# Altium PCB PCB_Kasli.PCBDOC (part 9 of 16)
Units mm, origin at the board's own origin, x right, y up, seen from the top; angles counter-clockwise.
Board outline 200.3 x 100 mm, 6 copper layers (TopLayer, MidLayer1, MidLayer2, SignalLayer1, Internal Plane 1, BottomLayer), stack 1.528 mm thick; 775 components, 636 nets, 3136 pads, 1724 vias.
Unrouted connection lines stored in the file: 7.
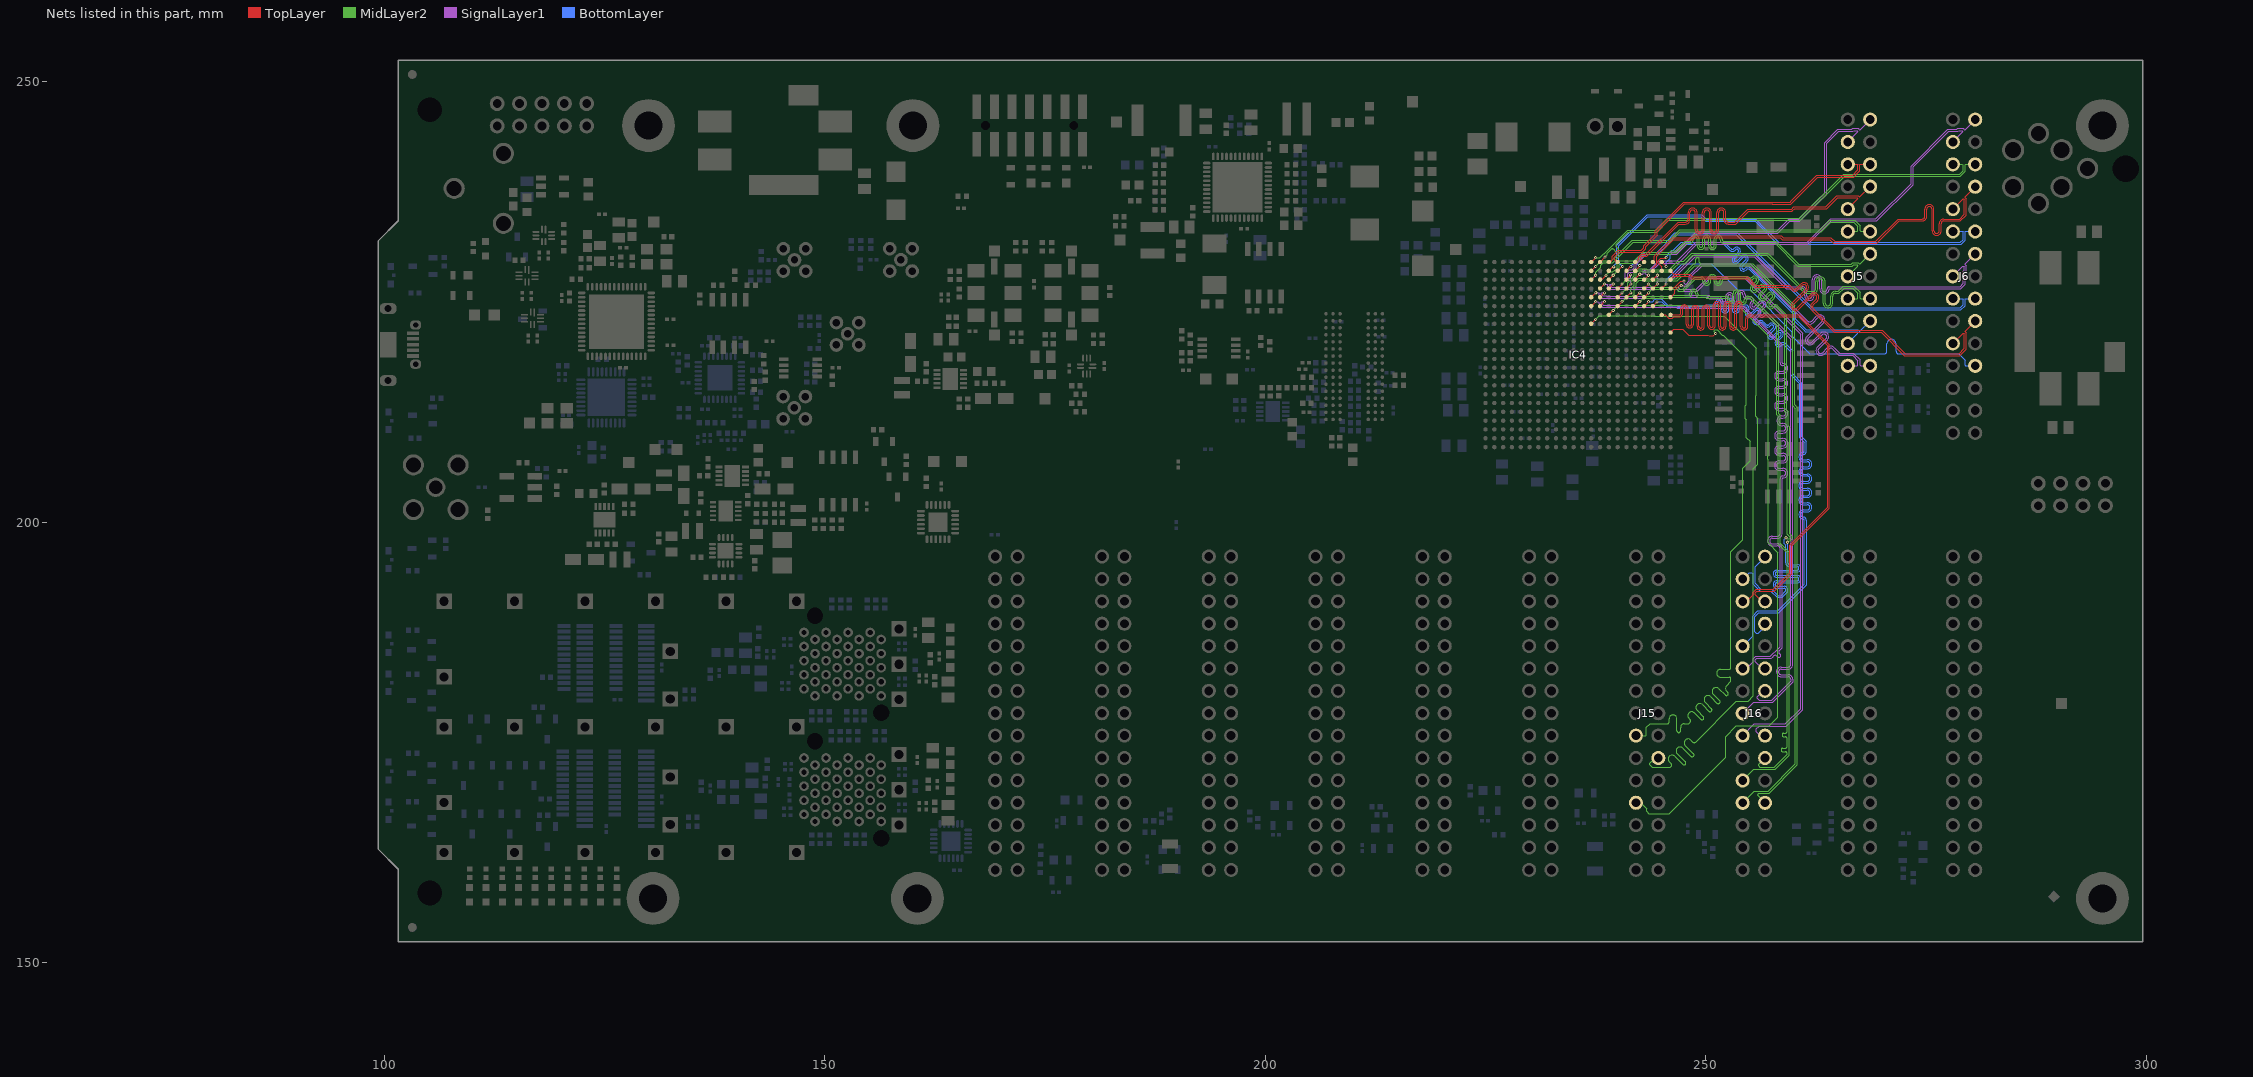
[diagram p13: the nets of this part, all layers, seen from the top]

## Via types
v1: diameter 0.5, hole 0.2, TopLayer to BottomLayer, tented both sides, 845 vias
v2: diameter 0.35, hole 0.15, TopLayer to BottomLayer, tented both sides, 612 vias
v3: diameter 0.8, hole 0.5, TopLayer to BottomLayer, tented both sides, 144 vias
v4: diameter 0.8, hole 0.5, TopLayer to BottomLayer, 66 vias
v5: diameter 0.5, hole 0.2, TopLayer to BottomLayer, 57 vias

## Nets (pads, with @x,y where several pads share a name; then routed paths per layer and width w, separated by ;. In a path a pad name is that pad's centre, name@x,y a point inside that pad or via, vN(x,y) a via of type N, cw(c..) or ccw(c..) an arc to the next point about the centre after c; other vN are vias at no path point) (continued)
EXT6.LVDS_P5: IC4.J22 J15.17 | length 79.5
  TopLayer w0.095: IC4.J22@245.991,221.515 246.381,221.905 247.389,221.905 248.064,221.23 250.269,221.23 250.361,221.138 250.851,221.138 v2(251.108,221.395)
  MidLayer2 w0.115: J15.17@242.062,175.768 243.193,175.768 243.253,175.828 243.253,176.704 243.664,177.114 245.622,177.114 ccw(c245.622,177.322) 245.829,177.322 245.829,177.672 cw(c246.272,177.672) 246.714,177.672 246.714,176.322 ccw(c246.922,176.322) 247.129,176.322 247.129,176.672 cw(c247.572,176.672) 247.572,177.114 248.032,177.114 248.209,177.291 ccw(c248.062,177.438) 248.27,177.438 ccw(c248.062,177.438) 248.209,177.584 248.079,177.714 cw(c248.392,178.027) 248.705,178.34 249.424,177.621 ccw(c249.571,177.768) 249.717,177.62 ccw(c249.571,177.768) 249.778,177.768 ccw(c249.571,177.768) 249.718,177.914 248.999,178.633 cw(c249.312,178.946) 249.624,179.259 250.343,178.54 ccw(c250.49,178.687) 250.636,178.54 ; 250.637,178.54 ccw(c250.49,178.687) 250.698,178.687 ccw(c250.49,178.687) 250.637,178.833 249.918,179.552 cw(c250.231,179.865) 250.544,180.178 251.263,179.459 ccw(c251.409,179.606) 251.556,179.459 ; v2(251.108,221.395) 251.108,221.428 250.955,221.58 250.955,221.734 251.023,221.802 251.29,221.802 251.878,221.213 251.963,221.213 254.589,218.587 254.589,213.297 254.49,213.199 254.49,211.725 254.589,211.627 254.589,209.586 255.021,209.154 255.021,206.946 254.2,206.126 254.2,198.018 252.839,196.657 252.839,196.35 252.839,195.532 252.839,183.5 cw(c252.631,183.5) 252.631,183.293 251.648,183.293 ccw(c251.648,182.85) 251.648,182.407 252.631,182.407 cw(c252.631,182.2) 252.839,182.2 252.839,181.921 252.346,181.427 ccw(c252.659,181.115) 252.346,180.802 252.475,180.672 cw(c252.329,180.525) 252.536,180.525 cw(c252.329,180.525) 252.475,180.379 ; 251.556,179.459 ccw(c251.409,179.606) 251.617,179.606 ccw(c251.409,179.606) 251.556,179.753 250.837,180.472 cw(c251.15,180.785) 251.463,181.098 252.182,180.379 ccw(c252.329,180.525) 252.475,180.378
EXT6.LVDS_P6: IC4.H13 J15.20 | length 85
  TopLayer w0.095: IC4.H13@236.991,222.515 v2(237.491,223.015)
  MidLayer2 w0.115: v2(237.491,223.015) 237.874,223.398 244.196,223.398 244.225,223.368 252.082,223.368 255.713,219.737 255.713,214.423 255.652,214.362 255.652,212.19 255.655,212.187 255.655,211.997 255.911,211.741 255.911,206.578 255.375,206.042 255.375,180.264 254.791,179.68 253.47,179.68 248.824,175.034 cw(c248.678,175.18) 248.531,175.034 248.3,175.265 ccw(c247.987,174.952) 247.674,175.265 ccw(c247.987,174.952) 247.674,174.639 248.596,173.717 cw(c248.449,173.571) 248.656,173.571 cw(c248.449,173.571) 248.596,173.424 ; J15.20@244.602,173.228 244.25,173.228 243.64,172.618 243.64,172.466 243.92,172.187 245.977,172.187 246.067,172.276 ccw(c245.92,172.423) 246.127,172.423 ccw(c245.92,172.423) 246.067,172.569 245.851,172.784 cw(c246.164,173.097) 245.851,173.41 cw(c246.164,173.097) 246.477,173.41 247.383,172.505 ccw(c247.53,172.651) 247.676,172.504 ; 247.676,172.505 ccw(c247.53,172.651) 247.737,172.651 ccw(c247.53,172.651) 247.676,172.798 246.755,173.72 cw(c247.068,174.032) 246.755,174.345 cw(c247.068,174.032) 247.381,174.345 248.302,173.424 ccw(c248.449,173.571) 248.595,173.423
EXT6.LVDS_P7: IC4.G15 J15.23 | length 86.4
  TopLayer w0.095: IC4.G15@238.991,223.515 v2(239.491,224.015)
  MidLayer2 w0.115: v2(239.491,224.015) 240.076,224.6 240.744,224.6 240.777,224.633 244.268,224.633 244.297,224.603 247.499,224.603 247.577,224.525 253.677,224.525 257.054,221.147 257.054,207.516 257.047,207.509 257.047,207.131 257.054,207.124 257.054,197.66 258.176,196.539 258.176,177.864 257.187,176.876 253.46,176.876 252.251,175.666 252.251,173.308 245.865,166.922 243.518,166.922 243.278,167.162 243.278,167.488 242.618,168.148 J15.23@242.062,168.148
EXT7.LVDS_N0: IC4.D19 J16.3 | length 77.6
  TopLayer w0.095: IC4.D19@242.991,226.515 v2(243.491,227.015)
  MidLayer2 w0.115: v2(243.491,227.015) 243.874,226.633 246.794,226.633 246.977,226.45 247.361,226.45 248.721,227.81 249.444,227.81 cw(c249.444,227.368) 249.887,227.368 249.887,227.318 ccw(c250.094,227.318) 250.302,227.318 250.302,227.693 cw(c250.689,227.693) 250.689,228.08 250.8,228.08 cw(c250.8,227.693) 251.187,227.693 251.187,227.318 ccw(c251.394,227.318) 251.602,227.318 251.602,227.368 cw(c252.044,227.368) 252.044,227.81 252.479,227.81 252.588,227.919 254.751,227.919 254.909,227.76 ccw(c255.056,227.907) 255.203,227.76 255.238,227.796 cw(c255.551,227.483) 255.864,227.796 cw(c255.551,227.483) 255.993,227.483 cw(c255.551,227.483) 255.864,227.17 255.333,226.64 ccw(c255.48,226.493) 255.333,226.347 ; 255.334,226.346 ccw(c255.48,226.493) 255.627,226.346 256.157,226.876 cw(c256.47,226.564) 256.783,226.876 cw(c256.47,226.564) 256.913,226.564 cw(c256.47,226.564) 256.783,226.251 256.253,225.72 ccw(c256.399,225.574) 256.253,225.427 ccw(c256.399,225.574) 256.546,225.427 257.076,225.957 cw(c257.389,225.644) 257.702,225.957 cw(c257.389,225.644) 257.832,225.644 cw(c257.389,225.644) 257.702,225.331 257.172,224.801 ccw(c257.319,224.654) 257.172,224.508 ; 257.172,224.507 ccw(c257.319,224.654) 257.465,224.508 257.501,224.543 cw(c257.814,224.23) 258.126,224.543 259.186,223.484 259.186,212.677 259.347,212.516 259.347,210.92 259.494,210.772 259.494,198.697 259.801,198.39 259.801,198.1 259.596,197.895 259.472,197.895 259.29,197.714 v2(259.287,197.714)
  BottomLayer w0.095: J16.3@254.181,193.548 254.232,193.548 254.943,194.259 255.223,194.259 255.358,194.124 255.358,192.974 256.156,192.176 257.375,192.176 258.103,191.448 258.641,191.448 259.287,192.094 259.287,192.297 ccw(c258.869,192.297) 258.869,192.714 258.041,192.714 cw(c258.041,192.912) 257.844,192.912 cw(c258.041,192.912) 258.041,193.109 260.369,193.109 ccw(c260.369,193.527) 260.787,193.527 ccw(c260.369,193.527) 260.369,193.944 258.061,193.944 cw(c258.061,194.142) 257.863,194.142 cw(c258.061,194.142) 258.061,194.339 260.369,194.339 ccw(c260.369,194.757) 260.787,194.757 ccw(c260.369,194.757) 260.369,195.174 259.484,195.174 cw(c259.484,195.372) 259.287,195.372 v2(259.287,197.714)
EXT7.LVDS_N1: IC4.G22 J16.6 | length 83.3
  TopLayer w0.095: IC4.G22@245.991,223.515 246.298,223.515 246.794,223.515 246.952,223.515 ccw(c246.952,223.712) 247.149,223.712 247.149,224.232 cw(c247.567,224.232) 247.984,224.232 247.984,222.454 ccw(c248.182,222.454) 248.379,222.454 248.379,224.162 cw(c248.797,224.162) 249.214,224.162 249.214,222.212 ccw(c249.412,222.212) 249.609,222.212 249.609,224.192 cw(c250.027,224.192) 250.444,224.192 250.444,222.293 ccw(c250.642,222.293) 250.839,222.293 250.839,224.597 cw(c251.257,224.597) 251.674,224.597 251.674,222.212 ccw(c251.872,222.212) 252.069,222.212 252.069,224.597 cw(c252.487,224.597) 252.904,224.597 252.904,222.212 ccw(c253.102,222.212) 253.299,222.212 253.299,224.597 cw(c253.717,224.597) 254.134,224.597 254.134,222.212 ccw(c254.332,222.212) 254.529,222.212 254.529,223.097 cw(c254.947,223.097) 254.947,223.515 260.621,223.515 264.025,220.111 264.025,201.569 259.744,197.289 259.744,194.164 257.736,192.155 255.799,192.155 255.619,191.975 255.619,191.75 256.361,191.008 J16.6@256.721,191.008
EXT7.LVDS_N2: IC4.F20 J16.9 | length 76.3
  TopLayer w0.095: IC4.F20@243.991,224.515 244.459,224.983 v2(244.459,225)
  BottomLayer w0.095: v2(244.459,225) 244.47,225 244.482,225.013 244.996,225.013 245.65,224.358 248.174,224.358 248.182,224.35 250.097,224.35 250.169,224.423 250.944,224.423 ccw(c250.944,224.84) 251.362,224.84 251.362,224.925 cw(c251.559,224.925) 251.757,224.925 251.757,224.14 ccw(c252.174,224.14) 252.592,224.14 252.592,224.925 cw(c252.789,224.925) 252.987,224.925 252.987,224.14 ccw(c253.404,224.14) 253.822,224.14 253.822,224.225 cw(c254.019,224.225) 254.019,224.423 254.552,224.423 254.631,224.343 cw(c254.491,224.204) 254.689,224.204 cw(c254.491,224.204) 254.631,224.064 254.571,224.004 ccw(c254.866,223.709) 255.161,223.414 255.716,223.969 cw(c255.856,223.829) 256.054,223.829 cw(c255.856,223.829) 255.996,223.689 255.441,223.134 ccw(c255.736,222.839) 256.031,222.544 256.091,222.604 cw(c256.231,222.464) 256.37,222.604 256.605,222.369 256.716,222.258 ccw(c257.012,222.553) 257.307,222.258 257.367,222.318 cw(c257.507,222.179) 257.646,222.318 ; J16.9@254.181,185.928 255.324,187.071 255.324,187.55 255.324,189.341 255.903,189.92 258.174,189.92 261.175,192.921 261.175,200.232 ccw(c261.059,200.232) 261.059,200.348 cw(c261.059,200.865) 260.542,200.865 cw(c261.059,200.865) 261.059,201.383 261.511,201.383 ccw(c261.511,201.68) 261.808,201.68 ccw(c261.511,201.68) 261.511,201.978 261.059,201.978 cw(c261.059,202.495) 260.542,202.495 cw(c261.059,202.495) 261.059,203.013 261.511,203.013 ccw(c261.511,203.31) 261.808,203.31 ccw(c261.511,203.31) 261.511,203.608 261.059,203.608 cw(c261.059,204.125) 260.542,204.125 cw(c261.059,204.125) 261.059,204.643 261.511,204.643 ccw(c261.511,204.94) 261.808,204.94 ccw(c261.511,204.94) 261.511,205.238 261.059,205.238 cw(c261.059,205.755) 260.542,205.755 cw(c261.059,205.755) 261.059,206.273 261.511,206.273 ccw(c261.511,206.57) 261.808,206.57 ccw(c261.511,206.57) 261.511,206.868 261.059,206.868 cw(c261.059,207.385) 260.542,207.385 cw(c261.059,207.385) 261.059,207.903 ccw(c261.059,208.018) 261.175,208.018 261.175,209.069 260.674,209.569 260.674,210.1 260.674,215.683 259.626,216.732 259.626,219.349 258.859,220.115 ccw(c258.751,220.007) 258.643,220.115 258.551,220.024 cw(c258.256,220.319) 257.961,220.614 258.516,221.169 ccw(c258.376,221.309) 258.574,221.309 ccw(c258.376,221.309) 258.516,221.448 ; 257.647,222.318 cw(c257.507,222.179) 257.704,222.179 cw(c257.507,222.179) 257.646,222.039 257.091,221.484 ccw(c257.386,221.189) 257.681,220.893 258.237,221.448 cw(c258.376,221.309) 258.515,221.449
EXT7.LVDS_N3: IC4.F14 J16.12 | length 79.1
  TopLayer w0.095: IC4.F14@237.991,224.515 v2(238.491,225.015)
  SignalLayer1 w0.115: v2(238.491,225.015) 238.176,225.015 238.109,224.948 238.109,224.852 238.329,224.632 243.825,224.632 243.854,224.603 246.711,224.603 246.824,224.491 254.316,224.491 258.658,220.149 258.658,218.083 ccw(c258.749,218.083) 258.749,217.993 cw(c258.749,217.45) 259.292,217.45 cw(c258.749,217.45) 258.749,216.907 258.332,216.907 ccw(c258.332,216.6) 258.332,216.292 258.749,216.292 cw(c258.749,215.75) 259.292,215.75 cw(c258.749,215.75) 258.749,215.207 258.332,215.207 ccw(c258.332,214.9) 258.332,214.592 258.749,214.592 cw(c258.749,214.05) 259.292,214.05 cw(c258.749,214.05) 258.749,213.507 258.332,213.507 ccw(c258.332,213.2) 258.332,212.892 258.749,212.892 cw(c258.749,212.35) 259.292,212.35 cw(c258.749,212.35) 258.749,211.807 258.541,211.807 ccw(c258.541,211.588) 258.321,211.588 258.321,211.412 ccw(c258.541,211.412) 258.541,211.192 258.749,211.192 cw(c258.749,210.65) 259.292,210.65 cw(c258.749,210.65) 258.749,210.107 258.332,210.107 ccw(c258.332,209.8) 258.332,209.492 258.749,209.492 cw(c258.749,208.95) 259.292,208.95 cw(c258.749,208.95) 258.749,208.407 258.332,208.407 ccw(c258.332,208.1) 258.332,207.792 258.749,207.792 cw(c258.749,207.25) 259.292,207.25 cw(c258.749,207.25) 258.749,206.707 258.332,206.707 ccw(c258.332,206.4) 258.332,206.092 258.749,206.092 cw(c258.749,205.55) 259.292,205.55 cw(c258.749,205.55) 258.749,205.007 ccw(c258.749,204.917) 258.658,204.917 258.658,198.7 cw(c258.116,198.7) 258.116,198.158 257.532,198.158 ccw(c257.532,197.85) 257.532,197.543 258.116,197.543 cw(c258.116,197) 258.658,197 258.658,185.754 258.309,185.405 ccw(c258.455,185.258) 258.309,185.111 258.433,184.987 cw(c258.286,184.841) 258.433,184.694 cw(c258.286,184.841) 258.139,184.694 258.015,184.818 ccw(c257.869,184.671) 257.722,184.818 257.575,184.671 257.428,184.525 255.775,184.525 255.629,184.379 255.629,184.15 256.391,183.388 J16.12@256.721,183.388
EXT7.LVDS_N4: IC4.E14 J16.15 | length 80.2
  TopLayer w0.095: IC4.E14@237.991,225.515 v2(238.491,226.015)
  SignalLayer1 w0.115: v2(238.491,226.015) 238.486,226.02 238.19,226.02 238.123,225.953 238.123,225.843 238.298,225.667 238.712,225.667 238.747,225.632 245.775,225.632 245.886,225.744 250.331,225.744 250.491,225.584 251.455,225.584 cw(c251.455,225.196) 251.843,225.196 ccw(c252.051,225.196) 252.258,225.196 252.258,225.584 cw(c252.701,225.584) 253.143,225.584 253.143,225.196 ccw(c253.351,225.196) 253.558,225.196 253.558,225.842 cw(c254.001,225.842) 254.443,225.842 254.443,225.792 ccw(c254.651,225.792) 254.651,225.584 255.147,225.584 255.305,225.426 cw(c254.993,225.113) 255.435,225.113 cw(c254.993,225.113) 255.305,224.801 255.27,224.765 ccw(c255.417,224.618) 255.27,224.472 ; J16.15@254.181,178.308 255.42,179.546 256.061,179.546 257.581,179.546 259.871,181.836 259.871,182.15 ccw(c259.329,182.15) 259.329,182.692 258.545,182.692 cw(c258.545,183) 258.545,183.307 259.329,183.307 ccw(c259.329,183.85) 259.871,183.85 259.871,197.425 259.904,197.458 259.904,197.969 259.871,198.003 259.871,220.861 257.144,223.588 ccw(c256.831,223.275) 256.518,223.588 256.483,223.552 cw(c256.336,223.699) 256.19,223.552 ; 255.27,224.472 ccw(c255.417,224.618) 255.564,224.472 256.077,224.985 cw(c256.39,224.672) 256.703,224.985 cw(c256.39,224.672) 256.832,224.672 cw(c256.39,224.672) 256.703,224.359 256.189,223.846 ccw(c256.336,223.699) 256.189,223.552
EXT7.LVDS_N5: IC4.D15 J16.18 | length 76.9
  TopLayer w0.095: IC4.D15@238.991,226.515 v2(239.491,227.015)
  SignalLayer1 w0.115: v2(239.491,227.015) 239.176,227.015 239.109,226.948 239.109,226.852 239.329,226.633 246.868,226.633 247.047,226.453 248.907,226.453 250.359,227.905 254.527,227.905 261.002,221.429 261.002,178.726 259.13,176.854 256.055,176.854 255.719,176.519 255.719,176.225 256.176,175.768 J16.18@256.721,175.768
EXT7.LVDS_N6: IC4.E18 J16.21 | length 77.6
  TopLayer w0.095: IC4.E18@241.991,225.515 v2(242.491,226.015)
  MidLayer2 w0.115: v2(242.491,226.015) 242.874,225.633 244.718,225.633 ; 244.718,225.632 245.889,225.632 245.982,225.725 247.969,225.725 ccw(c247.969,225.932) 248.177,225.932 248.177,225.982 cw(c248.619,225.982) 249.062,225.982 249.062,225.932 ccw(c249.269,225.932) 249.269,225.725 250.062,225.725 250.134,225.653 252.274,225.653 cw(c252.274,225.265) 252.662,225.265 ccw(c252.869,225.265) 253.077,225.265 253.077,225.911 cw(c253.519,225.911) 253.962,225.911 253.962,225.161 ccw(c254.169,225.161) 254.377,225.161 254.377,225.211 cw(c254.819,225.211) 254.819,225.653 255.083,225.653 258.296,222.441 258.296,212.308 258.457,212.147 258.457,197.606 259.465,196.598 259.465,173.556 257.86,171.952 255.445,171.952 J16.21@254.181,170.688
EXT7.LVDS_N7: IC4.E17 J16.24 | length 84
  TopLayer w0.095: IC4.E17@240.991,225.515 v2(241.491,226.015)
  MidLayer2 w0.115: v2(241.491,226.015) 241.491,226.474 241.874,226.857 241.874,227.212 242.349,227.687 243.278,227.687 243.333,227.632 243.65,227.632 243.652,227.635 244.331,227.635 244.333,227.632 246.652,227.632 247.148,228.128 247.465,228.128 248.647,229.31 ccw(c248.647,229.518) 248.855,229.518 248.855,229.803 cw(c249.062,229.803) 249.062,230.01 cw(c249.062,229.803) 249.27,229.803 249.27,229.518 ccw(c249.477,229.518) 249.477,229.31 249.685,229.31 249.869,229.31 255.309,229.31 260.076,224.544 260.076,213.291 260.394,212.972 260.394,172.45 257.178,169.234 256.029,169.234 255.869,169.074 255.869,169 256.721,168.148 J16.24@256.721,168.495
EXT7.LVDS_P0: IC4.E19 J16.2 | length 77.9
  TopLayer w0.095: IC4.E19@242.991,225.515 v2(243.491,226.015)
  MidLayer2 w0.115: v2(243.491,226.015) 243.874,226.398 246.697,226.398 246.879,226.215 247.458,226.215 248.818,227.575 249.444,227.575 cw(c249.444,227.368) 249.652,227.368 249.652,227.318 ccw(c250.094,227.318) 250.537,227.318 250.537,227.693 cw(c250.689,227.693) 250.689,227.845 250.8,227.845 cw(c250.8,227.693) 250.952,227.693 250.952,227.318 ccw(c251.394,227.318) 251.837,227.318 251.837,227.368 cw(c252.044,227.368) 252.044,227.575 252.576,227.575 252.685,227.684 254.654,227.684 254.743,227.594 ccw(c255.056,227.907) 255.369,227.594 255.404,227.63 cw(c255.551,227.483) 255.697,227.63 ; 255.697,227.63 cw(c255.551,227.483) 255.758,227.483 cw(c255.551,227.483) 255.697,227.336 255.167,226.806 ccw(c255.48,226.493) 255.167,226.18 ccw(c255.48,226.493) 255.793,226.18 256.323,226.71 cw(c256.47,226.564) 256.616,226.711 cw(c256.47,226.564) 256.678,226.564 cw(c256.47,226.564) 256.617,226.417 256.086,225.887 ccw(c256.399,225.574) 256.086,225.261 ccw(c256.399,225.574) 256.712,225.261 257.243,225.791 cw(c257.389,225.644) 257.536,225.791 ; 257.536,225.791 cw(c257.389,225.644) 257.597,225.644 cw(c257.389,225.644) 257.536,225.498 257.006,224.967 ccw(c257.319,224.654) 257.006,224.341 ccw(c257.319,224.654) 257.631,224.341 257.667,224.377 cw(c257.814,224.23) 257.96,224.377 258.951,223.386 258.951,212.58 259.112,212.419 259.112,210.822 259.259,210.675 259.259,198.6 259.566,198.293 259.566,198.198 259.499,198.13 259.253,198.13 259.158,198.225 v2(259.094,198.225)
  BottomLayer w0.095: J16.2@256.645,196.088 256.721,196.088 255.578,194.945 255.578,193.065 256.247,192.396 257.467,192.396 258.195,191.668 258.55,191.668 259.067,192.185 259.067,192.297 ccw(c258.869,192.297) 258.869,192.494 258.041,192.494 cw(c258.041,192.912) 257.624,192.912 cw(c258.041,192.912) 258.041,193.329 260.369,193.329 ccw(c260.369,193.527) 260.567,193.527 ccw(c260.369,193.527) 260.369,193.724 258.061,193.724 cw(c258.061,194.142) 257.643,194.142 cw(c258.061,194.142) 258.061,194.559 260.369,194.559 ccw(c260.369,194.757) 260.567,194.757 ccw(c260.369,194.757) 260.369,194.954 259.484,194.954 cw(c259.484,195.372) 259.067,195.372 259.067,197.407 258.914,197.559 258.914,198.045 v2(259.094,198.225)
EXT7.LVDS_P1: IC4.G21 J16.5 | length 84.3
  TopLayer w0.095: IC4.G21@244.991,223.515 245.391,223.515 245.777,223.129 246.203,223.129 246.37,223.295 246.794,223.295 246.952,223.295 ccw(c246.952,223.712) 247.369,223.712 247.369,224.232 cw(c247.567,224.232) 247.764,224.232 247.764,222.454 ccw(c248.182,222.454) 248.599,222.454 248.599,224.162 cw(c248.797,224.162) 248.994,224.162 248.994,222.212 ccw(c249.412,222.212) 249.829,222.212 249.829,224.192 cw(c250.027,224.192) 250.224,224.192 250.224,222.293 ccw(c250.642,222.293) 251.059,222.293 251.059,224.597 cw(c251.257,224.597) 251.454,224.597 251.454,222.212 ccw(c251.872,222.212) 252.289,222.212 252.289,224.597 cw(c252.487,224.597) 252.684,224.597 252.684,222.212 ccw(c253.102,222.212) 253.519,222.212 253.519,224.597 cw(c253.717,224.597) 253.914,224.597 253.914,222.212 ccw(c254.332,222.212) 254.749,222.212 254.749,223.097 cw(c254.947,223.097) 254.947,223.295 260.53,223.295 263.805,220.02 263.805,201.661 259.524,197.38 259.524,194.255 257.644,192.375 255.708,192.375 255.399,192.066 255.399,191.75 254.657,191.008 J16.5@254.181,191.008
EXT7.LVDS_P2: IC4.F19 J16.8 | length 77.7
  TopLayer w0.095: IC4.F19@242.991,224.515 v2(243.491,225.015)
  BottomLayer w0.095: v2(243.491,225.015) 243.958,225.015 244.087,225.144 244.087,225.154 244.305,225.373 244.947,225.373 245.741,224.578 248.265,224.578 248.273,224.57 250.006,224.57 250.078,224.642 250.944,224.642 ccw(c250.944,224.84) 251.142,224.84 251.142,224.925 cw(c251.559,224.925) 251.977,224.925 251.977,224.14 ccw(c252.174,224.14) 252.372,224.14 252.372,224.925 cw(c252.789,224.925) 253.207,224.925 253.207,224.14 ccw(c253.404,224.14) 253.602,224.14 253.602,224.225 cw(c254.019,224.225) 254.019,224.642 254.643,224.642 254.787,224.499 cw(c254.491,224.204) 254.909,224.204 cw(c254.491,224.204) 254.787,223.909 254.726,223.848 ccw(c254.866,223.709) 255.006,223.569 255.561,224.124 cw(c255.856,223.829) 256.274,223.829 cw(c255.856,223.829) 256.151,223.534 255.596,222.979 ccw(c255.736,222.839) 255.875,222.699 255.936,222.759 cw(c256.231,222.464) 256.526,222.759 256.872,222.414 ccw(c257.012,222.553) 257.151,222.414 257.211,222.474 cw(c257.507,222.179) 257.924,222.179 cw(c257.507,222.179) 257.802,221.883 257.247,221.328 ccw(c257.386,221.189) 257.246,221.049 ; J16.8@256.721,188.468 256.721,188.177 255.919,187.375 255.719,187.375 255.544,187.55 255.544,189.25 255.994,189.7 258.266,189.7 261.395,192.829 261.395,200.232 ccw(c261.059,200.232) 261.059,200.568 cw(c261.059,200.865) 260.762,200.865 cw(c261.059,200.865) 261.059,201.163 261.511,201.163 ccw(c261.511,201.68) 262.028,201.68 ccw(c261.511,201.68) 261.511,202.198 261.059,202.198 cw(c261.059,202.495) 260.762,202.495 cw(c261.059,202.495) 261.059,202.793 261.511,202.793 ccw(c261.511,203.31) 262.028,203.31 ccw(c261.511,203.31) 261.511,203.828 261.059,203.828 cw(c261.059,204.125) 260.762,204.125 cw(c261.059,204.125) 261.059,204.423 261.511,204.423 ccw(c261.511,204.94) 262.028,204.94 ccw(c261.511,204.94) 261.511,205.458 261.059,205.458 cw(c261.059,205.755) 260.762,205.755 cw(c261.059,205.755) 261.059,206.053 261.511,206.053 ccw(c261.511,206.57) 262.028,206.57 ccw(c261.511,206.57) 261.511,207.088 261.059,207.088 cw(c261.059,207.385) 260.762,207.385 cw(c261.059,207.385) 261.059,207.683 ccw(c261.059,208.018) 261.395,208.018 261.395,209.16 260.894,209.661 260.894,210.191 260.894,215.775 259.846,216.823 259.846,219.44 259.015,220.271 ccw(c258.751,220.007) 258.487,220.271 258.396,220.179 cw(c258.256,220.319) 258.117,220.179 ; 257.247,221.049 ccw(c257.386,221.189) 257.526,221.049 258.081,221.604 cw(c258.376,221.309) 258.794,221.309 cw(c258.376,221.309) 258.671,221.014 258.116,220.459 ccw(c258.256,220.319) 258.116,220.179
EXT7.LVDS_P3: IC4.F13 J16.11 | length 78.4
  TopLayer w0.095: IC4.F13@236.991,224.515 v2(237.491,225.015)
  SignalLayer1 w0.115: v2(237.491,225.015) 237.807,225.015 237.874,224.948 237.874,224.755 238.231,224.397 243.728,224.397 243.757,224.368 246.614,224.368 246.726,224.256 254.218,224.256 256.773,221.702 258.423,220.051 258.423,218.083 ccw(c258.749,218.083) 258.749,217.757 cw(c258.749,217.45) 259.057,217.45 cw(c258.749,217.45) 258.749,217.142 258.332,217.142 ccw(c258.332,216.6) 258.332,216.057 258.749,216.057 cw(c258.749,215.75) 259.057,215.75 cw(c258.749,215.75) 258.749,215.442 258.332,215.442 ccw(c258.332,214.9) 258.332,214.357 258.749,214.357 cw(c258.749,214.05) 259.057,214.05 cw(c258.749,214.05) 258.749,213.742 258.332,213.742 ccw(c258.332,213.2) 258.332,212.657 258.749,212.657 cw(c258.749,212.35) 259.057,212.35 cw(c258.749,212.35) 258.749,212.042 258.541,212.042 ccw(c258.541,211.588) 258.086,211.588 258.086,211.412 ccw(c258.541,211.412) 258.541,210.957 258.749,210.957 cw(c258.749,210.65) 259.057,210.65 cw(c258.749,210.65) 258.749,210.342 258.332,210.342 ccw(c258.332,209.8) 258.332,209.257 258.749,209.257 cw(c258.749,208.95) 259.057,208.95 cw(c258.749,208.95) 258.749,208.642 258.332,208.642 ccw(c258.332,208.1) 258.332,207.557 258.749,207.557 cw(c258.749,207.25) 259.057,207.25 cw(c258.749,207.25) 258.749,206.942 258.332,206.942 ccw(c258.332,206.4) 258.332,205.857 258.749,205.857 cw(c258.749,205.55) 259.057,205.55 cw(c258.749,205.55) 258.749,205.242 ccw(c258.749,204.917) 258.423,204.917 258.423,198.7 cw(c258.116,198.7) 258.116,198.393 257.532,198.393 ccw(c257.532,197.85) 257.532,197.307 258.116,197.307 cw(c258.116,197) 258.423,197 258.423,185.852 258.263,185.691 257.331,184.76 255.678,184.76 255.394,184.476 255.394,184.15 254.632,183.388 J16.11@254.181,183.388
EXT7.LVDS_P4: IC4.E13 J16.14 | length 79.1
  TopLayer w0.095: IC4.E13@236.991,225.515 237.501,226.025 v2(237.519,226.025)
  SignalLayer1 w0.115: v2(237.519,226.025) 237.524,226.02 237.821,226.02 237.888,225.953 237.888,225.745 238.201,225.432 238.615,225.432 238.65,225.397 245.872,225.397 245.984,225.509 250.234,225.509 250.393,225.349 251.455,225.349 cw(c251.455,225.196) 251.608,225.196 ccw(c252.051,225.196) 252.493,225.196 252.493,225.584 cw(c252.701,225.584) 252.908,225.584 252.908,225.196 ccw(c253.351,225.196) 253.793,225.196 253.793,225.842 cw(c254.001,225.842) 254.208,225.842 254.208,225.792 ccw(c254.651,225.792) 254.651,225.349 255.05,225.349 255.139,225.26 cw(c254.993,225.113) 255.2,225.113 cw(c254.993,225.113) 255.139,224.967 255.104,224.931 ccw(c255.417,224.618) 255.104,224.306 ccw(c255.417,224.618) 255.73,224.306 256.243,224.819 cw(c256.39,224.672) 256.536,224.82 cw(c256.39,224.672) 256.597,224.672 cw(c256.39,224.672) 256.537,224.526 256.023,224.012 ccw(c256.336,223.699) 256.023,223.386 ccw(c256.336,223.699) 256.649,223.386 256.684,223.422 cw(c256.831,223.275) 256.978,223.422 258.326,222.074 259.636,220.763 259.636,197.905 259.669,197.872 259.669,197.555 259.636,197.522 259.636,183.85 cw(c259.329,183.85) 259.329,183.543 258.545,183.543 ccw(c258.545,183) 258.545,182.457 259.329,182.457 cw(c259.329,182.15) 259.636,182.15 259.636,181.934 257.483,179.781 256.061,179.781 255.858,179.984 255.858,180.188 256.518,180.848 J16.14@256.721,180.848
EXT7.LVDS_P5: IC4.D14 J16.17 | length 77
  TopLayer w0.095: IC4.D14@237.991,226.515 v2(238.491,227.015)
  SignalLayer1 w0.115: v2(238.491,227.015) 238.807,227.015 238.874,226.948 238.874,226.755 239.231,226.397 246.771,226.397 246.95,226.218 249.004,226.218 250.456,227.67 254.429,227.67 260.767,221.332 260.767,178.823 259.033,177.089 255.502,177.089 J16.17@254.181,175.768
EXT7.LVDS_P6: IC4.F18 J16.20 | length 77.6
  TopLayer w0.095: IC4.F18@241.991,224.515 v2(242.491,225.015)
  MidLayer2 w0.115: v2(242.491,225.015) 242.874,225.398 244.621,225.398 245.987,225.397 246.079,225.49 247.707,225.49 247.969,225.49 ccw(c247.969,225.932) 248.412,225.932 248.412,225.982 cw(c248.619,225.982) 248.827,225.982 248.827,225.932 ccw(c249.269,225.932) 249.269,225.49 249.965,225.49 250.036,225.418 252.274,225.418 cw(c252.274,225.265) 252.427,225.265 ccw(c252.869,225.265) 253.312,225.265 253.312,225.911 cw(c253.519,225.911) 253.727,225.911 253.727,225.161 ccw(c254.169,225.161) 254.612,225.161 254.612,225.211 cw(c254.819,225.211) 254.819,225.418 254.986,225.418 258.061,222.344 258.061,212.211 258.222,212.05 258.222,197.508 259.23,196.501 259.23,176.255 cw(c259.022,176.255) 259.022,176.048 258.857,176.048 ccw(c258.857,175.84) 258.649,175.84 ccw(c258.857,175.84) 258.857,175.633 259.022,175.633 cw(c259.022,175.425) 259.23,175.425 259.23,175.1 259.23,174.763 259.23,174.555 cw(c259.022,174.555) 259.022,174.347 258.737,174.347 ccw(c258.737,174.14) 258.53,174.14 ccw(c258.737,174.14) 258.737,173.932 259.022,173.932 cw(c259.022,173.725) 259.23,173.725 259.23,173.653 257.763,172.187 256.137,172.187 255.985,172.339 255.985,172.491 J16.20@256.721,173.228
EXT7.LVDS_P7: IC4.F16 J16.23 | length 84.1
  TopLayer w0.095: IC4.F16@239.991,224.515 v2(240.491,225.015)
  MidLayer2 w0.115: v2(240.491,225.015) 241.109,225.632 241.65,225.632 241.874,225.857 241.874,226.524 242.109,226.759 242.109,227.115 242.447,227.452 242.782,227.452 242.834,227.4 243.233,227.4 243.236,227.397 243.747,227.397 243.75,227.4 244.233,227.4 244.236,227.397 246.749,227.397 247.245,227.893 247.563,227.893 248.744,229.075 255.212,229.075 259.841,224.446 259.841,213.194 260.159,212.875 260.159,172.547 257.081,169.469 255.502,169.469 J16.23@254.181,168.148
EXT8.LVDS_N0: IC4.C17 J5.3 | length 40.3
  TopLayer w0.095: IC4.C17@240.991,227.515 241.431,227.954 v2(241.431,228.061)
  SignalLayer1 w0.115: v2@241.431,227.997 v2(241.431,228.061) 241.461,228.03 241.461,227.723 241.394,227.655 241.176,227.655 241.109,227.723 241.109,228.184 241.307,228.382 241.732,228.382 242.112,228.762 242.112,229.283 243.228,230.399 246.694,230.399 249.076,232.781 258.151,232.781 259.516,234.146 260.657,234.146 263.71,237.199 263.71,242.978 265.07,244.338 266.661,244.338 266.766,244.442 267.177,244.442 267.244,244.375 267.244,244.279 J5.3@266.105,243.14
EXT8.LVDS_N1: IC4.A16 J5.6 | length 35.1
  TopLayer w0.095: IC4.A16@239.991,229.515 239.944,229.562 239.88,229.562 239.647,229.796 239.601,229.841 239.601,230.082 240.152,230.633 242.769,230.633 243.16,231.024 243.16,231.266 244.464,232.57 244.464,232.975 247.591,236.102 257.56,236.102 257.562,236.1 259.414,236.1 ; 259.209,236.1 259.642,236.1 262.697,239.155 266.755,239.155 267.485,239.885 267.485,240.544 267.541,240.6 J5.6@268.645,240.6
EXT8.LVDS_N2: IC4.A19 J5.9 | length 41.8
  TopLayer w0.095: IC4.A19@242.991,229.515 242.601,229.905 242.601,230.032 242.744,230.175 243.294,230.175 246.944,233.825 247.675,233.825 ccw(c247.675,234.343) 248.193,234.343 248.193,235.12 cw(c248.49,235.12) 248.49,235.418 cw(c248.49,235.12) 248.788,235.12 248.788,233.237 ccw(c249.305,233.237) 249.305,232.72 ccw(c249.305,233.237) 249.823,233.237 249.823,235.12 cw(c250.12,235.12) 250.12,235.418 cw(c250.12,235.12) 250.418,235.12 250.418,233.237 ccw(c250.935,233.237) 250.935,232.72 ccw(c250.935,233.237) 251.453,233.237 251.453,235.12 cw(c251.75,235.12) 251.75,235.418 cw(c251.75,235.12) 252.048,235.12 252.048,234.327 ccw(c252.55,234.327) 252.55,233.825 253.375,233.825 254.85,235.3 259.822,235.3 259.822,235.31 260.084,235.572 263.722,235.572 264.957,236.807 267.202,236.807 267.258,236.752 267.258,236.673 J5.9@266.105,235.52
EXT8.LVDS_N3: IC4.B13 J5.12 | length 34.9
  TopLayer w0.095: IC4.B13@236.991,228.515 v2(237.491,229.015)
  MidLayer2 w0.115: v2(237.491,229.015) 238.151,229.675 239.344,229.675 241.654,231.985 245.831,231.985 247.021,233.175 262.993,233.175 264.078,234.26 266.89,234.26 267.493,233.657 267.493,233.047 267.56,232.98 J5.12@268.645,232.98
EXT8.LVDS_N4: IC4.C15 J5.15 | length 38.6
  TopLayer w0.095: IC4.C15@238.991,227.515 v2(239.491,228.015)
  MidLayer2 w0.115: v2(239.491,228.015) 239.694,228.218 239.694,228.225 239.81,228.34 ; J5.15@266.105,227.9 267.244,229.039 267.244,229.135 267.177,229.202 266.766,229.202 266.602,229.039 260.45,229.039 257.849,231.64 252.044,231.64 cw(c252.044,232.083) 251.602,232.083 251.602,232.133 ccw(c251.394,232.133) 251.187,232.133 251.187,231.383 cw(c250.744,231.383) 250.302,231.383 250.302,232.133 ccw(c250.094,232.133) 249.887,232.133 249.887,231.383 cw(c249.444,231.383) 249.002,231.383 249.002,232.133 ccw(c248.794,232.133) 248.587,232.133 248.587,232.083 cw(c248.144,232.083) 248.144,231.64 247.755,231.64 246.684,230.569 246.172,230.569 246.001,230.398 242.989,230.398 241.992,229.4 241.75,229.4 241.747,229.397 241.236,229.397 241.233,229.4 240.349,229.4 240.167,229.218 240.167,228.697 239.881,228.412 ; 239.81,228.34 239.881,228.412 ; 239.81,228.34 239.881,228.412
EXT8.LVDS_N5: IC4.D16 J5.18 | length 39.1
  TopLayer w0.095: IC4.D16@239.991,226.515 v2(240.491,227.015)
  MidLayer2 w0.115: v2(240.491,227.015) 240.976,227.5 241.103,227.5 241.236,227.633 241.569,227.633 241.877,227.94 241.877,228.381 242.239,228.743 243.223,228.743 243.333,228.632 243.65,228.632 243.652,228.635 245.331,228.635 245.333,228.632 245.65,228.632 245.652,228.635 245.869,228.635 246.303,229.069 246.303,229.085 246.797,229.579 247.495,229.579 248.416,230.5 257.027,230.5 258.493,229.034 258.493,229.01 258.76,228.742 258.784,228.742 261.342,226.185 262.15,226.185 ccw(c262.15,226.492) 262.457,226.492 262.457,227.276 cw(c263,227.276) 263.542,227.276 263.542,224.859 ccw(c263.85,224.859) 264.157,224.859 264.157,225.642 cw(c264.7,225.642) 264.7,226.185 265,226.185 265.59,226.775 266.782,226.775 267.493,226.065 267.493,225.427 267.56,225.36 J5.18@268.645,225.36
EXT8.LVDS_N6: IC4.A21 J5.21 | length 34.6
  TopLayer w0.095: IC4.A21@244.991,229.515 v2(245.491,229.015)
  BottomLayer w0.095: v2(245.491,229.015) 245.491,229.488 245.958,229.955 245.958,230.34 246.251,230.633 246.39,230.633 247.312,231.555 252.014,231.555 252.505,231.064 252.725,230.844 ccw(c253.02,231.14) 253.315,230.844 253.376,230.905 cw(c253.515,230.765) 253.655,230.905 cw(c253.515,230.765) 253.713,230.765 cw(c253.515,230.765) 253.655,230.625 253.1,230.07 ccw(c253.395,229.775) 253.1,229.48 ccw(c253.395,229.775) 253.69,229.48 254.245,230.035 cw(c254.385,229.895) 254.525,230.035 cw(c254.385,229.895) 254.582,229.895 cw(c254.385,229.895) 254.525,229.756 253.969,229.2 ccw(c254.265,228.905) 253.969,228.61 ccw(c254.265,228.905) 254.56,228.61 254.62,228.67 cw(c254.76,228.531) 254.899,228.67 259.994,223.575 259.994,222.914 261.154,221.754 261.306,221.603 267.167,221.603 267.258,221.512 267.258,221.433 J5.21@266.105,220.28
EXT8.LVDS_N7: IC4.D22 J5.24 | length 39
  TopLayer w0.095: IC4.D22@245.991,226.515 246.289,226.515 246.424,226.65 246.469,226.65 247.169,227.35 v2(247.519,227.35)
  SignalLayer1 w0.115: v2@247.417,227.397 v2@247.519,227.397 ; v2(247.519,227.35) 247.564,227.305 247.564,227.084 247.651,226.998 247.746,226.998 248.128,227.38 248.128,227.975 249.245,229.092 249.488,229.335 255.029,229.335 255.532,228.832 260.582,223.782 261.564,222.8 ccw(c261.782,223.017) 261.999,222.8 262.553,223.354 cw(c262.937,222.97) 263.479,222.97 cw(c262.937,222.97) 263.32,222.586 261.611,220.878 ccw(c261.829,220.66) 261.611,220.443 ; 261.612,220.442 ccw(c261.829,220.66) 262.046,220.443 263.016,221.413 cw(c263.4,221.029) 263.942,221.029 cw(c263.4,221.029) 263.784,220.646 262.814,219.675 ccw(c263.031,219.458) 262.813,219.241 ; 262.813,219.241 ccw(c263.031,219.458) 263.248,219.241 263.802,219.795 cw(c264.186,219.411) 264.57,219.795 265.192,219.173 266.752,219.173 267.493,218.432 267.493,217.807 267.56,217.74 J5.24@268.645,217.74
EXT8.LVDS_P0: IC4.D17 J5.2 | length 41.2
  TopLayer w0.095: IC4.D17@240.991,226.515 v2(241.491,227.015)
  SignalLayer1 w0.115: v2(241.491,227.015) 241.461,227.045 241.461,227.353 241.394,227.42 241.079,227.42 240.874,227.625 240.874,228.281 241.21,228.617 241.634,228.617 241.877,228.859 241.877,229.381 243.13,230.634 246.596,230.634 248.978,233.016 258.053,233.016 258.505,233.468 259.418,234.381 260.559,234.381 263.475,237.297 263.475,243.075 264.973,244.573 266.564,244.573 266.668,244.677 267.274,244.677 267.411,244.541 267.506,244.541 J5.2@268.645,245.68
EXT8.LVDS_P1: IC4.A15 J5.5 | length 35.3
  TopLayer w0.095: IC4.A15@238.991,229.515 IC4.A15@239.039,229.562 ; IC4.A15@239.103,229.562 IC4.A15@239.039,229.562 ; 259.3,236.32 259.551,236.32 259.706,236.475 262.606,239.375 266.664,239.375 267.265,239.976 267.265,240.544 267.209,240.6 J5.5@266.105,240.6 ; 259.505,236.32 257.653,236.32 257.651,236.322 247.5,236.322 244.244,233.066 244.244,232.661 242.94,231.357 242.94,231.115 242.678,230.853 240.061,230.853 239.381,230.173 239.381,229.75 239.194,229.562 IC4.A15@239.039,229.562
EXT8.LVDS_P2: IC4.A18 J5.8 | length 42.3
  TopLayer w0.095: IC4.A18@241.991,229.515 242.381,229.905 242.381,230.123 242.653,230.395 243.203,230.395 246.853,234.045 247.675,234.045 ccw(c247.675,234.343) 247.973,234.343 247.973,235.12 cw(c248.49,235.12) 248.49,235.638 cw(c248.49,235.12) 249.008,235.12 249.008,233.237 ccw(c249.305,233.237) 249.305,232.94 ccw(c249.305,233.237) 249.603,233.237 249.603,235.12 cw(c250.12,235.12) 250.12,235.638 cw(c250.12,235.12) 250.638,235.12 250.638,233.237 ccw(c250.935,233.237) 250.935,232.94 ccw(c250.935,233.237) 251.233,233.237 251.233,235.12 cw(c251.75,235.12) 251.75,235.638 cw(c251.75,235.12) 252.268,235.12 252.268,234.327 ccw(c252.55,234.327) 252.55,234.045 253.284,234.045 254.759,235.52 259.72,235.52 259.993,235.793 263.631,235.793 264.866,237.027 267.293,237.027 267.414,236.907 267.492,236.907 J5.8@268.645,238.06
EXT8.LVDS_P3: IC4.C13 J5.11 | length 35.2
  TopLayer w0.095: IC4.C13@236.991,227.515 v2(237.491,228.015)
  MidLayer2 w0.115: v2(237.491,228.015) 237.491,228.347 238.087,228.943 238.087,229.151 238.376,229.44 239.442,229.44 241.614,231.612 241.752,231.75 245.928,231.75 246.827,232.648 247.118,232.94 263.09,232.94 264.175,234.025 266.793,234.025 267.258,233.56 267.258,233.047 267.19,232.98 J5.11@266.105,232.98
EXT8.LVDS_P4: IC4.C14 J5.14 | length 39.9
  TopLayer w0.095: IC4.C14@237.991,227.515 238.184,227.515 238.666,227.997 v2(238.666,228.003)
  MidLayer2 w0.115: v2(238.666,228.003) 238.666,228.096 238.716,228.046 239.067,228.398 239.459,228.398 239.642,228.58 239.708,228.58 239.932,228.804 239.932,229.316 240.251,229.635 241.331,229.635 241.333,229.632 241.65,229.632 241.652,229.635 241.894,229.635 242.892,230.633 245.904,230.633 246.075,230.804 246.587,230.804 247.658,231.875 248.144,231.875 ccw(c248.144,232.083) 248.352,232.083 248.352,232.133 cw(c248.794,232.133) 249.237,232.133 249.237,231.383 ccw(c249.444,231.383) 249.652,231.383 249.652,232.133 cw(c250.094,232.133) 250.537,232.133 250.537,231.383 ccw(c250.744,231.383) 250.952,231.383 250.952,232.133 cw(c251.394,232.133) 251.837,232.133 251.837,232.083 ccw(c252.044,232.083) 252.044,231.875 257.946,231.875 260.547,229.274 266.505,229.274 266.668,229.437 267.274,229.437 267.411,229.301 267.506,229.301 J5.14@268.645,230.44
EXT8.LVDS_P5: IC4.E16 J5.17 | length 39.4
  TopLayer w0.095: IC4.E16@239.991,225.515 v2(240.491,226.015)
  MidLayer2 w0.115: v2(240.491,226.015) 241.109,226.632 241.109,227.173 241.333,227.398 241.667,227.398 242.112,227.843 242.112,228.283 242.336,228.508 242.653,228.508 242.76,228.4 243.233,228.4 243.236,228.397 243.747,228.397 243.75,228.4 245.233,228.4 245.236,228.397 245.747,228.397 245.75,228.4 245.967,228.4 246.538,228.971 246.538,228.988 246.894,229.344 247.592,229.344 248.513,230.265 256.929,230.265 258.257,228.937 258.257,228.913 258.663,228.507 258.687,228.507 261.244,225.95 262.15,225.95 ccw(c262.15,226.492) 262.692,226.492 262.692,227.276 cw(c263,227.276) 263.307,227.276 263.307,224.859 ccw(c263.85,224.859) 264.392,224.859 264.392,225.642 cw(c264.7,225.642) 264.7,225.95 265.098,225.95 265.688,226.54 266.685,226.54 267.258,225.967 267.258,225.427 267.19,225.36 J5.17@266.105,225.36
EXT8.LVDS_P6: IC4.B21 J5.20 | length 35.6
  TopLayer w0.095: IC4.B21@244.991,228.515 244.991,228.969 244.605,229.355 244.605,229.675 244.88,229.95 v2@245.426,229.95
  BottomLayer w0.095: v2(245.491,230.015) 245.491,230.097 245.738,230.344 245.738,230.431 246.159,230.852 246.299,230.852 247.221,231.775 252.106,231.775 252.661,231.22 252.881,231 ccw(c253.02,231.14) 253.16,231 253.22,231.06 cw(c253.515,230.765) 253.81,231.06 cw(c253.515,230.765) 253.933,230.765 cw(c253.515,230.765) 253.81,230.47 253.255,229.915 ccw(c253.395,229.775) 253.255,229.635 ccw(c253.395,229.775) 253.535,229.635 254.09,230.19 cw(c254.385,229.895) 254.68,230.19 cw(c254.385,229.895) 254.802,229.895 cw(c254.385,229.895) 254.68,229.6 254.125,229.045 ccw(c254.265,228.905) 254.125,228.766 ccw(c254.265,228.905) 254.404,228.766 254.464,228.826 cw(c254.76,228.531) 255.055,228.826 260.214,223.666 260.214,223.005 261.31,221.91 261.397,221.823 267.258,221.823 267.414,221.667 267.492,221.667 J5.20@268.645,222.82
EXT8.LVDS_P7: IC4.E22 J5.23 | length 38.8
  TopLayer w0.095: IC4.E22@245.991,225.515 246.469,225.993 246.469,226.339 246.966,226.836 v2(247.206,226.836)
  SignalLayer1 w0.115: v2@247.137,226.767 v2(247.206,226.836) 247.213,226.843 247.474,226.843 247.553,226.763 247.843,226.763 248.363,227.283 248.363,227.878 249.48,228.995 249.586,229.1 254.932,229.1 255.366,228.666 260.416,223.616 261.398,222.634 ccw(c261.782,223.017) 262.165,222.634 262.719,223.188 cw(c262.937,222.97) 263.154,223.188 ; 263.154,223.188 cw(c262.937,222.97) 263.244,222.97 cw(c262.937,222.97) 263.154,222.753 261.445,221.044 ccw(c261.829,220.66) 262.212,220.276 263.183,221.247 cw(c263.4,221.029) 263.617,221.247 ; 263.617,221.247 cw(c263.4,221.029) 263.707,221.029 cw(c263.4,221.029) 263.617,220.812 262.647,219.842 ccw(c263.031,219.458) 263.415,219.074 263.969,219.628 cw(c264.186,219.411) 264.403,219.628 265.094,218.938 266.655,218.938 267.258,218.335 267.258,217.807 267.19,217.74 J5.23@266.105,217.74
EXT9.LVDS_N0: IC4.C19 J6.3 | length 47
  TopLayer w0.095: IC4.C19@242.991,227.515 v2(243.491,228.015)
  SignalLayer1 w0.115: v2@243.423,227.946 v2(243.491,228.015) 243.446,228.06 243.266,228.06 243.133,228.192 243.133,228.288 243.243,228.397 243.747,228.397 244.747,229.397 245.65,229.397 246.84,229.397 248.958,231.515 261.59,231.515 264.253,234.178 269.403,234.178 273.535,238.31 273.535,240.31 277.563,244.338 278.586,244.338 278.691,244.442 279.102,244.442 279.169,244.375 279.169,244.279 J6.3@278.03,243.14
EXT9.LVDS_N1: IC4.A14 J6.6 | length 48.8
  TopLayer w0.095: IC4.A14@237.991,229.515 v2(238.544,230.068)
  MidLayer2 w0.115: v2(238.544,230.068) 238.794,230.318 238.794,230.497 238.947,230.65 239.094,230.797 239.241,230.943 cw(c239.388,230.797) 239.534,230.943 239.736,230.742 ccw(c239.883,230.889) 240.029,230.742 ccw(c239.883,230.889) 240.029,231.035 239.828,231.237 cw(c239.974,231.384) 239.828,231.53 239.974,231.677 240.046,231.748 241.212,232.915 244.434,232.915 245.759,234.24 260.719,234.24 265.736,239.258 278.883,239.258 279.418,239.793 279.418,240.533 279.485,240.6 J6.6@280.57,240.6
EXT9.LVDS_N2: IC4.A20 J6.9 | length 47.4
  TopLayer w0.095: IC4.A20@243.991,229.515 244.149,229.673 244.149,230.191 244.18,230.221 244.199,230.241 244.328,230.37 246.232,232.273 248.457,232.273 248.678,232.495 258.561,232.495 258.775,232.281 261.275,232.281 264.167,232.281 264.603,231.845 269.284,231.845 271.834,234.395 274.555,234.395 ccw(c274.555,234.693) 274.852,234.693 274.852,235.511 cw(c275.37,235.511) 275.37,236.028 cw(c275.37,235.511) 275.887,235.511 275.887,233.059 ccw(c276.185,233.059) 276.185,232.762 ccw(c276.185,233.059) 276.483,233.059 276.483,233.878 cw(c277,233.878) 277,234.395 278.795,234.395 279.317,234.917 279.317,236.617 279.262,236.673 279.183,236.673 J6.9@278.03,235.52
EXT9.LVDS_N3: IC4.B16 J6.12 | length 47.6
  TopLayer w0.095: IC4.B16@239.991,228.515 240.487,229.011 v2(240.556,229.011)
  BottomLayer w0.095: v2(240.556,229.011) 240.495,229.011 240.101,229.405 240.101,231.345 243.42,234.663 249.439,234.663 249.975,234.126 255.596,234.126 255.975,233.747 255.975,233.724 258.174,231.525 278.961,231.525 279.41,231.974 279.41,232.924 279.466,232.98 J6.12@280.57,232.98
EXT9.LVDS_N4: IC4.C20 J6.15 | length 47.4
  TopLayer w0.095: IC4.C20@243.991,227.515 v2(244.491,228.015)
  SignalLayer1 w0.115: v2(244.491,228.015) 244.491,227.7 244.559,227.632 245.97,227.632 248.703,230.366 255.573,230.366 258.632,227.307 259.214,226.725 260.9,226.725 cw(c260.9,226.183) 261.442,226.183 261.442,225.7 ccw(c261.75,225.7) 262.057,225.7 262.057,227.515 cw(c262.6,227.515) 263.142,227.515 263.142,226.464 ccw(c263.45,226.464) 263.757,226.464 cw(c264.019,226.464) 264.019,226.725 278.85,226.725 279.228,227.103 279.228,228.456 279.332,228.561 279.332,228.972 279.265,229.039 279.169,229.039 J6.15@278.03,227.9
EXT9.LVDS_N5: IC4.B18 J6.18 | length 45.8
  TopLayer w0.095: IC4.B18@241.991,228.515 242.544,229.068 242.494,229.118 v2(242.494,229.125)
  BottomLayer w0.095: v2(242.494,229.125) 242.381,229.125 242.101,229.405 242.101,229.5 242.989,230.388 244.368,230.388 244.557,230.387 245.772,231.602 245.772,231.791 245.775,231.794 246.581,232.6 253.469,232.6 260.335,225.735 261.989,224.08 278.941,224.08 279.41,224.549 279.41,225.304 279.466,225.36 J6.18@280.57,225.36
EXT9.LVDS_N6: IC4.B22 J6.21 | length 48.7
  TopLayer w0.095: IC4.B22@245.991,228.515 246.381,228.125 248.144,228.125 248.444,227.825 251.757,227.825 ; 251.666,227.825 251.757,227.825 ; 259.961,224.305 cw(c260.171,224.516) 259.961,224.726 261.518,226.284 ccw(c261.152,226.65) 261.67,226.65 ccw(c261.152,226.65) 260.786,227.016 260.296,226.525 cw(c260.085,226.735) 259.875,226.525 259.5,226.9 256.368,226.9 255.675,226.9 254.75,227.825 251.757,227.825 ; 259.961,224.305 ccw(c260.171,224.516) 260.381,224.305 261.939,225.863 cw(c262.305,225.497) 262.822,225.497 cw(c262.305,225.497) 262.671,225.131 262.18,224.641 ccw(c262.391,224.43) 262.18,224.22 264.655,221.745 270.005,221.745 272.625,219.125 278.739,219.125 279.317,219.703 279.317,221.377 279.262,221.433 279.183,221.433 J6.21@278.03,220.28
EXT9.LVDS_N7: IC4.D21 J6.24 | length 45
  TopLayer w0.095: IC4.D21@244.991,226.515 v2(245.491,227.015)
  BottomLayer w0.095: v2(245.491,227.015) 245.491,227.488 247.323,229.32 250.636,229.32 253.607,226.349 255.045,226.349 259.824,221.569 259.824,221.075 261.037,219.862 261.799,219.1 270.25,219.1 ccw(c270.25,219.398) 270.547,219.398 270.547,220.216 cw(c271.065,220.216) 271.065,220.733 cw(c271.065,220.216) 271.582,220.216 271.582,219.398 ccw(c271.88,219.398) 271.88,219.1 278.7,219.1 279.41,218.39 279.41,217.796 279.466,217.74 J6.24@280.57,217.74
EXT9.LVDS_P0: IC4.C18 J6.2 | length 47.6
  TopLayer w0.095: IC4.C18@241.991,227.515 241.991,227.622 v2(242.494,228.125)
  SignalLayer1 w0.115: v2(242.494,228.125) 242.831,228.125 242.898,228.192 242.898,228.385 243.146,228.632 243.65,228.632 244.65,229.632 244.777,229.632 245.747,229.632 246.743,229.632 248.86,231.75 261.493,231.75 264.155,234.413 269.305,234.413 273.3,238.407 273.3,240.407 277.465,244.573 278.489,244.573 278.593,244.677 279.199,244.677 279.336,244.541 279.431,244.541 J6.2@280.57,245.68
EXT9.LVDS_P1: IC4.A13 J6.5 | length 48.3
  TopLayer w0.095: IC4.A13@236.991,229.515 v2(237.491,230.015)
  MidLayer2 w0.115: v2(237.491,230.015) 237.951,230.015 238.386,230.45 238.415,230.45 238.447,230.482 241.115,233.15 244.336,233.15 245.661,234.475 260.621,234.475 265.639,239.493 278.785,239.493 279.183,239.89 279.183,240.533 279.115,240.6 J6.5@278.03,240.6
EXT9.LVDS_P2: IC4.B20 J6.8 | length 48.7
  TopLayer w0.095: IC4.B20@243.991,228.515 243.991,228.812 244.419,229.24 244.419,230.15 246.323,232.053 248.548,232.053 248.769,232.275 258.469,232.275 258.684,232.061 261.275,232.061 264.076,232.061 264.512,231.625 269.375,231.625 271.925,234.175 274.555,234.175 ccw(c274.555,234.693) 275.072,234.693 275.072,235.511 cw(c275.37,235.511) 275.37,235.808 cw(c275.37,235.511) 275.667,235.511 275.667,233.059 ccw(c276.185,233.059) 276.185,232.542 ccw(c276.185,233.059) 276.702,233.059 276.702,233.878 cw(c277,233.878) 277,234.175 278.886,234.175 279.537,234.826 279.537,236.708 279.417,236.828 279.417,236.907 J6.8@280.57,238.06
EXT9.LVDS_P3: IC4.B15 J6.11 | length 47.6
  TopLayer w0.095: IC4.B15@238.991,228.515 239.439,228.963 v2(239.549,228.963)
  BottomLayer w0.095: v2(239.549,228.963) 239.549,229.073 239.881,229.405 239.881,231.436 243.329,234.883 249.53,234.883 250.067,234.346 255.687,234.346 256.195,233.838 256.195,233.815 258.265,231.745 278.87,231.745 279.19,232.065 279.19,232.924 279.134,232.98 J6.11@278.03,232.98
EXT9.LVDS_P4: IC4.D20 J6.14 | length 48.1
  TopLayer w0.095: IC4.D20@243.991,226.515 v2(244.491,227.015)
  SignalLayer1 w0.115: v2@244.423,226.946 v2(244.491,227.015) 244.491,227.33 244.559,227.397 246.067,227.397 246.803,228.134 248.801,230.131 255.476,230.131 258.466,227.141 259.117,226.49 260.9,226.49 cw(c260.9,226.183) 261.207,226.183 261.207,225.7 ccw(c261.75,225.7) 262.292,225.7 262.292,227.515 cw(c262.6,227.515) 262.907,227.515 262.907,226.464 ccw(c263.45,226.464) 263.992,226.464 cw(c264.019,226.464) 264.019,226.49 278.947,226.49 279.463,227.005 279.463,228.359 279.567,228.463 279.567,229.069 279.431,229.205 279.431,229.301 J6.14@280.57,230.44
EXT9.LVDS_P5: IC4.B17 J6.17 | length 45.7
  TopLayer w0.095: IC4.B17@240.991,228.515 v2(241.491,229.015)
  BottomLayer w0.095: v2(241.491,229.015) 241.881,229.405 241.881,229.591 242.898,230.607 244.466,230.607 245.552,231.694 245.552,231.882 245.619,231.95 ; 245.616,231.947 245.619,231.95 ; J6.17@278.03,225.36 279.134,225.36 279.19,225.304 279.19,224.64 278.85,224.3 262.081,224.3 260.49,225.89 253.561,232.82 246.489,232.82 245.619,231.95
EXT9.LVDS_P6: IC4.C22 J6.20 | length 49.1
  TopLayer w0.095: IC4.C22@245.991,227.515 246.381,227.905 248.053,227.905 248.353,227.605 251.666,227.605 254.659,227.605 255.584,226.68 256.368,226.68 259.409,226.68 259.719,226.369 ccw(c260.085,226.735) 260.451,226.369 260.942,226.86 cw(c261.152,226.65) 261.362,226.861 cw(c261.152,226.65) 261.45,226.65 cw(c261.152,226.65) 261.363,226.439 259.805,224.882 ccw(c260.171,224.516) 260.537,224.15 262.095,225.707 cw(c262.305,225.497) 262.515,225.708 ; 262.515,225.707 cw(c262.305,225.497) 262.602,225.497 cw(c262.305,225.497) 262.515,225.287 262.025,224.796 ccw(c262.391,224.43) 262.025,224.064 264.564,221.525 269.914,221.525 272.534,218.905 278.83,218.905 279.537,219.612 279.537,221.468 279.417,221.588 279.417,221.667 J6.20@280.57,222.82